# Altium PCB HV_Diffuser.PcbDoc (part 1 of 2) (continued)
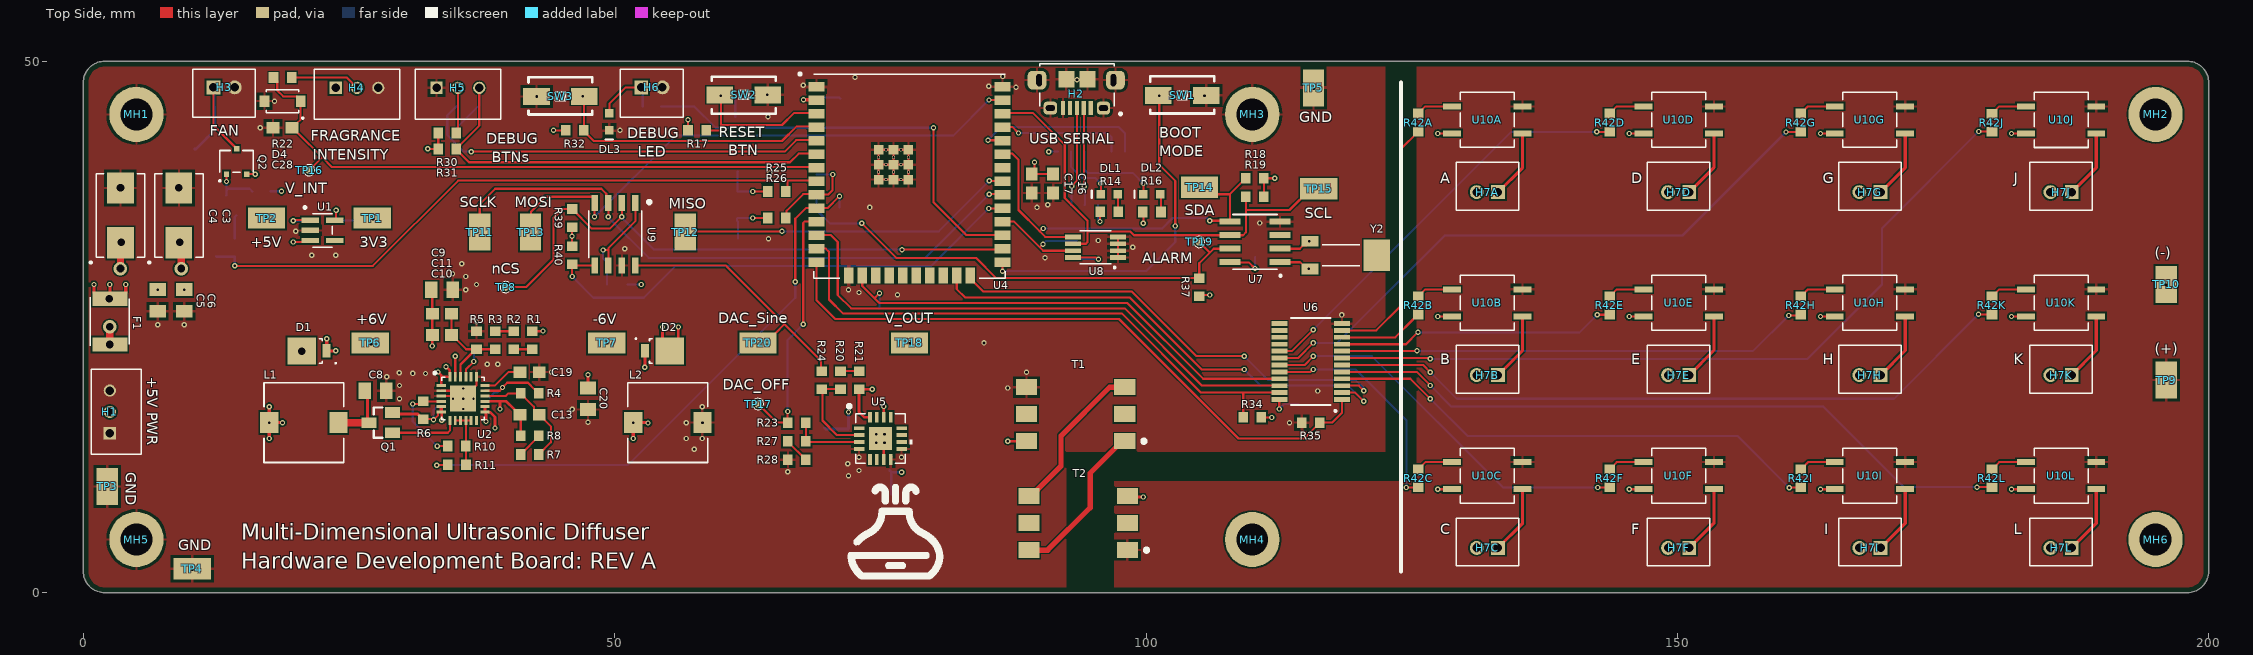
[diagram p0: Top Side view]
## Components (designator, comment, footprint, x,y, rotation, side; value= is the part's Value field where it differs from the comment) (continued)
R37 "4.7K" R_0603 105,28.75 r270 top
R38 "100K" R_0603 93.5,32.25 r270 bottom
R39 "100K" R_0603 46,35.25 r270 top
R40 "100K" R_0603 46,31.75 r90 top
R41 "NC" R_0603_NC 91.5,32.25 r90 bottom
R42A "1K" R_0603 125.621,44.235 r90 top (schematic designator R42)
R42B "1K" R_0603 125.621,27.022 r90 top (schematic designator R42)
R42C "1K" R_0603 125.621,10.76 r90 top (schematic designator R42)
R42D "1K" R_0603 143.621,44.235 r90 top (schematic designator R42)
R42E "1K" R_0603 143.621,27.022 r90 top (schematic designator R42)
R42F "1K" R_0603 143.621,10.76 r90 top (schematic designator R42)
R42G "1K" R_0603 161.621,44.235 r90 top (schematic designator R42)
R42H "1K" R_0603 161.621,27.022 r90 top (schematic designator R42)
R42I "1K" R_0603 161.621,10.76 r90 top (schematic designator R42)
R42J "1K" R_0603 179.607,44.233 r90 top (schematic designator R42)
R42K "1K" R_0603 179.607,27.022 r90 top (schematic designator R42)
R42L "1K" R_0603 179.607,10.76 r90 top (schematic designator R42)
SW1 "EVQPNF05M" "Tactile Switche - EVQPNF05M" 103.41,46.795 r0 top
SW2 "EVQPNF05M" "Tactile Switche - EVQPNF05M" 62.15,46.85 r180 top
SW3 "EVQPNF05M" "Tactile Switche - EVQPNF05M" 44.9,46.7 r0 top
T1 "1/5 Transformer" PMT9085NL 98,14.25 r90 top
T2 "1/5 Transformer" PMT9085NL 98.25,4 r90 top
TP1 "3V3" TP_1206 27.185,35.25 r0 top value=TP
TP2 "+5V" TP_1206 17.25,35.25 r180 top value=TP
TP3 "GND" TP_1206 2.25,10 r270 top value=TP
TP4 "GND" TP_1206 10.25,2.25 r0 top value=TP
TP5 "GND" TP_1206 115.75,47.5 r90 top value=TP
TP6 "+6V" TP_1206 27,23.5 r0 top value=TP
TP7 "-6V" TP_1206 49.25,23.5 r0 top value=TP
TP8 "nCS" TP-Small 39.75,28.75 r0 top
TP9 "P" TP_1206 196,20 r90 top value=TP
TP10 "N" TP_1206 196,29 r270 top value=TP
TP11 "SCLK" TP_1206 37.307,33.932 r270 top value=TP
TP12 "MISO" TP_1206 56.646,33.932 r90 top value=TP
TP13 "MOSI" TP_1206 42.092,33.932 r90 top value=TP
TP14 "SDA" TP_1206 105.036,38.15 r0 top value=TP
TP15 "SCL" TP_1206 116.25,38 r0 top value=TP
TP16 "V_INT" TP-Small 21.25,39.75 r90 top
TP17 "DAC_OFF" TP-Small 63.5,17.75 r90 top
TP18 "V_OUT" TP_1206 77.741,23.5 r0 top value=TP
TP19 "ALARM" TP-Small 105,33 r90 top
TP20 "DAC_Sine" TP_1206 63.483,23.5 r0 top value=TP
U1 "AP7347DQ-33W5-7" SOT25-A1_DIO-M 22.508,34.087 r0 top
U2 "TPS65130RGER" QFN50P400X400X100-25N 35.75,18.25 r0 top
U3 "MCP2221A" 14-SOIC 95.5,39 r270 bottom
U4 "ESP32-WROOM-32UE - N4" MODULE_ESP32-WROOM-32UE(M113EH6400UH3Q0) 77.741,39.2 r0 top
U5 "OPA2673IRGVR" RGV16_2P16X2P16 75,14.5 r0 top
U6 "74HC4514PW-118" SOP65P640X110-24N 115.5,21.75 r180 top
U7 "MCP7940M-I/SN" SOIC8-N_MC_MCH 110.25,33 r180 top
U8 "24LC32A-I/MS" SOP65P490X110-8N 95.25,32.5 r180 top
U9 "MCP4921-E/SN-ND" "8-SOIC - DAC" 50.25,34.25 r270 top
U10A "LH1546AEFTR" SO_6AEFTR_VIS-M 132.121,44.485 r0 top (schematic designator U10)
U10B "LH1546AEFTR" SO_6AEFTR_VIS-M 132.121,27.272 r0 top (schematic designator U10)
U10C "LH1546AEFTR" SO_6AEFTR_VIS-M 132.121,11.01 r0 top (schematic designator U10)
U10D "LH1546AEFTR" SO_6AEFTR_VIS-M 150.121,44.485 r0 top (schematic designator U10)
U10E "LH1546AEFTR" SO_6AEFTR_VIS-M 150.121,27.272 r0 top (schematic designator U10)
U10F "LH1546AEFTR" SO_6AEFTR_VIS-M 150.121,11.01 r0 top (schematic designator U10)
U10G "LH1546AEFTR" SO_6AEFTR_VIS-M 168.121,44.485 r0 top (schematic designator U10)
U10H "LH1546AEFTR" SO_6AEFTR_VIS-M 168.121,27.272 r0 top (schematic designator U10)
U10I "LH1546AEFTR" SO_6AEFTR_VIS-M 168.121,11.01 r0 top (schematic designator U10)
U10J "LH1546AEFTR" SO_6AEFTR_VIS-M 186.107,44.483 r0 top (schematic designator U10)
U10K "LH1546AEFTR" SO_6AEFTR_VIS-M 186.107,27.272 r0 top (schematic designator U10)
U10L "LH1546AEFTR" SO_6AEFTR_VIS-M 186.107,11.01 r0 top (schematic designator U10)
Y1 "32.7680kHZ" XTAL_MS1V-T1K-32.768KHZ-9PF-20PPM-TA-QC-AU 58,36.5 r270 bottom
Y2 "32.7680kHZ" XTAL_MS1V-T1K-32.768KHZ-9PF-20PPM-TA-QC-AU 119,31.75 r270 top

## Footprints (in the part's own frame and the unit in brackets; to place one, negate y for a bottom-side part, rotate by r counter-clockwise, add the part's x,y. Pads: shape width x height; smd on the part's side, far side on the other; paste and mask are expansions set on the pad)
"8-SOIC - DAC" [mm]
  rect 1.5x0.6 smd: 1(-2.411,1.705) 2(-2.411,0.435) 3(-2.411,-0.835) 4(-2.411,-2.105) 5(3.461,-2.105) 6(3.461,-0.835) 7(3.461,0.435) 8(3.461,1.705)
  silkscreen extent -2.55,-2.7 2.71,3.05, body extent -2.51,-2.65 3.48,2.25, height 1.76
14-SOIC [mil]
  rect 90x22 smd: 1(-99,150) 2(-99,100) 3(-99,50) 4(-99,0) 5(-99,-50) 6(-99,-100) 7(-99,-150) 8(99,-150) 9(99,-100) 10(99,-50) 11(99,0) 12(99,50) 13(99,100) 14(99,150)
  silkscreen extent -103,-177 84,208, body extent -122,-172 122,172, height 69
"7447789004 - 4.7uH" [mm]
  rect 1.7x2 smd: 1(0,0) 2(6.5,0)
  silkscreen extent -0.5,-3.75 7,3.75, body extent -0.4,-3.65 6.9,3.65, height 3.21
C_0603 [mm] "Chip Capacitor, Body 1.6x0.8mm, IPC Low Density"
  rect 1.2x1.1 smd: 1(-0.9,0) 2(0.9,0)
  body extent -0.8,-0.45 0.8,0.45, height 0.8
C_0805 [mil] "Chip Capacitor, Body 2.0x1.25mm, IPC Low Density"
  rect 47.24x60 smd: 1(-40,0) 2(40,0)
  body extent -39,-27 40,27, height 50
C_2917 [mm]
  rect 2.941x2.5 smd: 1(-2.583,0) 2(2.583,0)
  silkscreen extent -4.52,-2.28 3.93,2.87, body extent -3.8,-2.15 3.8,2.15, height 4.35
CR_PTVS3V_NEX-M [mil]
  rect 36x43 smd: 1(-67,0) 2(67,0)
  silkscreen extent -78,-42 60,66, body extent -73,-37 73,37, height 43
"DO-214AA, SMB" [mm]
  rect 2.5x2.3 smd: 1(0,0) 2(5,0)
  body extent -0.3,-1.97 5.3,1.97, height 2.45
DO-216AA [mil]
  rect 50x30 smd: 1(0,-65.03)
  rect 100x105 smd: 2(0,27.53)
  silkscreen extent -48,-100 46,-38, body extent -38,-74 37,74, height 46
JS_USB_MICRO_B [mm] "Micro USB B Type Receptacle"
  rect 0.4x1.35 smd mask+0.07: 1(-1.3,4.15) 2(-0.65,4.15) 3(0,4.15) 4(0.65,4.15) GND(1.3,4.15)
  rrect50% 1.75x1.75 hole 0.5 slot 1.15 at 90 deg copper offset -0.2,0 paste+0 mask+0.1: GND(-3.429,1.524)
  rrect50% 1.25x1.2 hole 0.55 slot 0.85 at 0 deg: GND(-2.5,4.15) GND(2.5,4.15)
  rect 1.5x1.55 smd: GND(-1,1.45) GND(1,1.45)
  rrect50% 1.75x1.75 hole 0.5 slot 1.15 at 90 deg copper offset 0.2,0 paste+0 mask+0.1: GND(3.556,1.524)
  silkscreen extent -4.2,0 3.5,4.8, body extent -4.02,-1.14 4.02,4.39, height 2.74
JST_B2B-PH-K-S [mm]
  rect 1.308x1.308 hole 0.8: 1(1,-0.55)
  round 1.308 hole 0.8: 2(-1,-0.55)
  silkscreen extent -2.95,-2.25 2.95,2.25, body extent -2.95,-2.25 2.95,2.25, height 6
MH_M2 [mm]
  oval 5.1x5.2 hole 3: 1(0,0)
  body extent -2.17,-2.16 2.17,2.16, height 1.51
MODULE_ESP32-WROOM-32UE(M113EH6400UH3Q0) [mm]
  rect 1.5x0.9 smd: 1(-8.75,8.41) 1(8.75,8.41) 2(-8.75,7.14) 3(-8.75,5.87) 4(-8.75,4.6) 5(-8.75,3.33) 6(-8.75,2.06) 7(-8.75,0.79) 8(-8.75,-0.48) 9(-8.75,-1.75) 10(-8.75,-3.02) 11(-8.75,-4.29) 12(-8.75,-5.56) 13(-8.75,-6.83) 14(-8.75,-8.1) 25(8.75,-8.1) 26(8.75,-6.83) 27(8.75,-5.56) 28(8.75,-4.29) 29(8.75,-3.02) 30(8.75,-1.75) 31(8.75,-0.48) 32(8.75,0.79) 33(8.75,2.06) 34(8.75,3.33) 35(8.75,4.6) 36(8.75,5.87) 37(8.75,7.14)
  rect 0.9x1.5 smd: 1(-5.71,-9.35) 16(-4.44,-9.35) 17(-3.17,-9.35) 18(-1.9,-9.35) 19(-0.63,-9.35) 20(0.64,-9.35) 21(1.91,-9.35) 22(3.18,-9.35) 23(4.45,-9.35) 24(5.72,-9.35)
  rect 0.9x0.9 smd: 1(-2.9,-0.33) 1(-2.9,1.07) 1(-2.9,2.47) 1(-1.5,-0.33) 1(-1.5,1.07) 1(-1.5,2.47) 1(-0.1,-0.33) 1(-0.1,1.07) 1(-0.1,2.47)
  round 0.3 hole 0.2 mask+0.102: 1(-2.9,0.37) 1(-2.9,1.77) 1(-2.2,-0.33) 1(-2.2,1.07) 1(-2.2,2.47) 1(-1.5,0.37) 1(-1.5,1.77) 1(-0.8,-0.33) 1(-0.8,1.07) 1(-0.8,2.47) 1(-0.1,0.37) 1(-0.1,1.77)
  silkscreen extent -10.4,-9.6 9,9.7, body extent -9,-9.6 9,9.6, height 3.35
PMT9085NL [mm] "1/5 Transformer"
  rect 1.5x2 smd: 1(0,0) 2(2.54,0) 3(5.08,0) 4(5.08,9.25) 5(2.54,9.25) 6(0,9.25)
  silkscreen extent -0.14,-1.94 0.14,-1.66, body extent -1.41,-0.2 6.49,9.45, height 5.71
PTC_Fuse_1812 [mm] "1812 - 4.60mm x 3.24mm"
  rect 1.34x3.29 smd: 1(-2.15,0) 2(2.15,0)
  silkscreen extent -2.28,-1.83 2.28,1.83, body extent -2.37,-1.62 2.17,1.62, height 1.25
QFN50P400X400X100-25N [mm]
  rect 0.86x0.27 smd: 1(-2.062,1.25) 4(-2.062,-0.25) 5(-2.062,-0.75) 6(-2.062,-1.25) 13(2.062,-1.25) 14(2.062,-0.75) 15(2.062,-0.25) 16(2.062,0.25) 17(2.062,0.75) 18(2.062,1.25) 25(-2.062,0.25) 25(-2.062,0.75)
  rect 0.27x0.86 smd: 7(-1.25,-2.062) 8(-0.75,-2.062) 9(-0.25,-2.062) 10(0.25,-2.062) 11(0.75,-2.062) 12(1.25,-2.062) 20(0.75,2.062) 21(0.25,2.062) 22(-0.25,2.062) 23(-0.75,2.062) 24(-1.25,2.062) 25(1.25,2.062)
  round 0.4 hole 0.2 mask+0.102: 25(-0.975,0) 25(0,-0.975) 25(0,0) 25(0,0.975) 25(0.975,0)
  rect 2.45x2.45 smd paste-2: 25(0,0)
  silkscreen extent -2.77,-2 2,2.51, body extent -2,-2 2,2, height 1
R_0603 [mm] "1.6x0.8mm"
  rect 0.9x1 smd: 1(-0.85,0) 2(0.85,0)
  body extent -0.85,-0.46 0.85,0.46, height 0.56
R_0603_NC [mm] "1.6x0.8mm"
  rect 0.9x1 smd: 1(-0.85,0) 2(0.85,0)
R_0805 [mm] "2.0x1.25mm"
  rect 0.96x1.38 smd: 1(-0.978,0) 2(0.978,0)
  silkscreen extent -0.18,-0.68 0.18,0.68, body extent -1.05,-0.67 1.05,0.67, height 0.61
RGV16_2P16X2P16 [mm]
  rect 1x0.35 smd paste-0.175 mask-0.495: 1(-2,0.975) 2(-2,0.325) 3(-2,-0.325) 10(2,-0.325) 11(2,0.325) 12(2,0.975) A1(2,-0.975) GND(-2,-0.975)
  rect 0.35x1 smd paste-0.175 mask-0.495: 5(-0.975,-1.975) 6(-0.325,-1.975) 7(0.325,-1.975) 13(0.976,1.991) 14(0.326,1.991) 15(-0.324,1.991) 16(-0.974,1.991) A0(0.975,-1.975)
  round 0.508 hole 0.254 paste-0.254 mask-0.254: 7(-0.394,-0.394) 7(-0.394,0.394) 7(0.394,0.394)
  rect 2.16x2.16 smd paste-1.067 mask-1.067: 7(0,0)
  round 0.508 hole 0.254 mask-0.254: 7(0.394,-0.394)
  silkscreen extent -3.05,-2.33 3.01,3.17, body extent -2,-2 2,2, height 1
SO_6AEFTR_VIS-M [mil]
  rect 66x22 smd: 1(-130.5,50) 2(-130.5,-50) 3(130.5,-50) 4(130.5,50)
  silkscreen extent -100,-102 100,102, body extent -141,-97 141,97, height 91
SOIC8-N_MC_MCH [mil]
  rect 78x22 smd: 1(-93,75) 2(-93,25) 3(-93,-25) 4(-93,-75) 5(93,-75) 6(93,-25) 7(93,25) 8(93,75)
  silkscreen extent -98,-102 82,128, body extent -118,-96 118,96, height 69
SOP65P490X110-8N [mm]
  rect 1.5x0.45 smd mask+0.05: 1(-2.105,0.975) 2(-2.105,0.325) 3(-2.105,-0.325) 4(-2.105,-0.975) 5(2.105,-0.975) 6(2.105,-0.325) 7(2.105,0.325) 8(2.105,0.975)
  silkscreen extent -1.88,-1.53 1.5,1.98, body extent -2.45,-1.5 2.45,1.5, height 1.07
SOP65P640X110-24N [mm]
  rect 1.475x0.45 smd: 1(-2.938,3.575) 2(-2.938,2.925) 3(-2.938,2.275) 4(-2.938,1.625) 5(-2.938,0.975) 6(-2.938,0.325) 7(-2.938,-0.325) 8(-2.938,-0.975) 9(-2.938,-1.625) 10(-2.938,-2.275) 11(-2.938,-2.925) 12(-2.938,-3.575) 13(2.938,-3.575) 14(2.938,-2.925) 15(2.938,-2.275) 16(2.938,-1.625) 17(2.938,-0.975) 18(2.938,-0.325) 19(2.938,0.325) 20(2.938,0.975) 21(2.938,1.625) 22(2.938,2.275) 23(2.938,2.925) 24(2.938,3.575)
  silkscreen extent -2.39,-4.1 1.86,4.71, body extent -3.21,-3.9 3.21,3.9, height 0.98
SOT23 [mm]
  rect 1x1.4 smd: 1(-0.95,-1.1) 2(0.95,-1.1) 3(0,1.1)
  silkscreen extent -1.42,-0.15 1.42,0.66, body extent -1.46,-1.18 1.46,1.18, height 1.03
SOT23_NXP-M [mil]
  rect 24x64 smd: 1(-35,-40) 2(40,-40) 3(2.5,34.57)
  silkscreen extent -79,-54 66,32, body extent -57,-49 62,49, height 43
SOT25-A1_DIO-M [mil]
  rect 64x20 smd: 1(-45,37.4) 2(-45,0) 3(-45,-37.4) 4(45,-37.4) 5(45,37.4)
  silkscreen extent -68,-62 36,88, body extent -55,-57 55,57, height 57
SOT-23F [mil]
  rect 20x20 smd: 1(-40.35,-53.73) 2(34.45,-53.73) 3(-2.95,40.27)
  silkscreen extent -68,-81 59,34, body extent -60,-55 54,39, height 35
"Tactile Switche - EVQPNF05M" [mm] "Panansonic light touch SMD push button switch"
  rect 2.5x1.6 smd: 1(-2.25,0) 2(2.25,0)
  silkscreen extent -3,-1.7 3,1.8, body extent -3.4,-1.75 3.4,1.75, height 5.01
TE_440054-3 [mm]
  rect 1.15x1.15 hole 0.8: 1(0,0)
  round 1.15 hole 0.8: 2(2.007,0) 3(4.013,0)
  silkscreen extent -2,-2.95 6.01,1.75, body extent -1.99,-2.95 6.01,1.75, height 6.06
TP-Small [mm]
  round 0.7 smd: 1(0,0)
  silkscreen extent -0.53,-0.53 0.53,0.53
TP_1206 [mm] "Test Point Pad"
  rect 3.5x2 smd: 1(0,0)
  body extent -1.62,-0.85 1.63,0.8, height 2
WL-SMCW0603 [mm] "2.4 x 0.8 x 0.7mm LED"
  rect 0.8x0.8 smd: 1(0,0) 2(1.6,0)
  silkscreen extent -0.85,-0.35 -0.85,0.35, body extent 0,-0.4 1.6,0.4, height 0.65
XTAL_MS1V-T1K-32.768KHZ-9PF-20PPM-TA-QC-AU [mm]
  rect 1x1.6 smd: 1(-1.3,-3.55) 2(1.3,-3.55)
  rect 3x2.5 smd: S1(0,2.7)
  silkscreen extent -1,-2.43 1,1.13, body extent -1.38,-4.05 1.38,4.05, height 2.08

## Part data
C1 C7 C15 C16 C18 C23 C24 C26 C28 C30 C32 C34 C35 C36 C37 C39 C41 C42: library part CC_100nF, "CAP CER 0.1uF 50V X7R 0603", PackageReference=0603
  C1 C7 C16 C23 C24 C26 C28 C34 C35 C36 C37 C39 C41 C42: Cost=0.16, Website=https://www.digikey.co.nz/product-detail/en/samsung-electro-mechanics/CL10B104KB8NFNC/1276-1934-1-ND/3890020
  C15 C30 C32: Website=https://www.digikey.co.nz/product-detail/en/samsung-electro-mechanics/CL10B104KB8NFNC/1276-1934-1-ND/3890020
  C18: Website=https://www.digikey.co.nz/en/products/detail/samsung-electro-mechanics/CL10B103KB8NNNC/3886667
C2 C5 C6 C9 C20 C22: library part CC_22uF, "CAP CER 22UF 10V X5R 0805", PackageReference=0805, Website=https://www.digikey.co.nz/en/products/detail/samsung-electro-mechanics/CL21A226MOQNNNE/3888567
C3 C4: library part CC_100uF, "100 µF Molded Tantalum Capacitors 16 V 2917 (7343 Metric) 75mOhm", Voltage=10V, Component="T498X107K016ATE075 or T494D227M010AT"
C8 C14 C29 C31: library part CC_4.7uF_50V, "4.7 µF ±10% 50V Ceramic Capacitor X7R 0805 (2012 Metric)", Voltage=16V, Component=CGA4J3X7R1C475K125AE
C10 C12 C13 C17 C27 C33 C38 C40: library part CC_220nF, "CAP CER 0.220uF 50V X7R 0603", PackageReference=0603
  C10 C13 C27 C33 C38 C40: Website=https://www.digikey.co.nz/en/products/detail/kemet/C0603C120C5GAC7867/2199823
  C12 C17: Cost=0.16, Website=https://www.digikey.co.nz/en/products/detail/samsung-electro-mechanics/CL10B224KB8VPNC/5961084
C11: library part CC_220nF, "CAP CER 1pF 50V X7R 0603", PackageReference=0603, Website=https://www.digikey.co.nz/en/products/detail/yageo/AC0603BRNPO9BN1R0/6643061
C19: library part CC_4.7nF, "CAP CER 4.7nF 50V X7R 0603", PackageReference=0603, Website=https://www.digikey.co.nz/product-detail/en/samsung-electro-mechanics/CL10B472KB8NFNC/1276-2064-1-ND/3890150
C21: library part CC_100pF, "CAP CER 100pF 50V C0G/NP0 0603", Voltage=50V, PackageReference=0603, Website=https://www.digikey.co.nz/en/products/detail/samsung-electro-mechanics/CL10C101JB81PNC/3887820
C25: library part CC_1uF, "CAP CER 1uF 16V X7R 0603", Cost=0.16, PackageReference=0603, Website=https://www.digikey.co.nz/product-detail/en/samsung-electro-mechanics/CL10B105KO8NFNC/1276-1943-1-ND/3890029
D1 D2: "Diode 20 V 1A Surface Mount Powermite", Mfr_Name=onsemi, Copyright="Copyright (C) 2024 Ultra Librarian. All rights reserved.", Manufacturer_Part_Number=MBRM120LT3G, RefDes=RefDes, Type=DEV
D3: "Diode 400 V 1A Surface Mount SMB"
D4: "8V Clamp 43.8A Ipp Tvs Diode Surface Mount SOD-123W", Mfr_Name=Nexperia, Copyright="Copyright (C) 2023 Ultra Librarian. All rights reserved.", Digi-Key_Part_Number_1=1727-1416-2-ND, Digi-Key_Part_Number_2=1727-1416-1-ND, Digi-Key_Part_Number_3=1727-1416-6-ND, Manufacturer_Part_Number=PTVS3V3S1UTR,115, RefDes=RefDes, Type=DEV
DL1: library part "Leds - 150060RS75000", "LED Red 250mcd 0603 SMD", Cost=0.25, Website=https://www.digikey.co.nz/product-detail/en/w%C3%BCrth-elektronik/150060RS75000/732-4978-1-ND/4489899
DL2: library part "Leds - 150060YS75000", "LED Yellow 120mcd 0603 SMD", Cost=0.25, Website=https://www.digikey.co.nz/product-detail/en/w%C3%BCrth-elektronik/150060YS75000/732-4981-1-ND/4489907
DL3: library part "Leds - 150060BS75000", "LED Blue 270mcd 0603 SMD", Cost=0.25, LED Colour=Blue, Website=https://www.digikey.co.nz/product-detail/en/w%C3%BCrth-elektronik/150060BS75000/732-4966-1-ND/4489893
F1: library part FS_PTC_Fuse_3A, "PTC RESET FUSE 3.0A 24V 1812", Cost=3.44, Website=https://www.digikey.co.nz/product-detail/en/littelfuse-inc/1812L300-24SLER/18-1812L300-24SLERCT-ND/12807142
H1 H4 H5: library part 440054-3, "2.0MM,HDR,3POS,VERTICAL", Package=None, Availability=Unavailable, Centerline_Pitch="2 mm[.079 in]", EU_RoHS_Compliance=Compliant, MF="TE Connectivity", MP=440054-3, Number_of_Positions=3, Price=None, Product_Type=Connector, SnapEDA_Link=https://www.snapeda.com/parts/440054-3/TE%20Connectivity%20AMP%20Connectors/view-part/942515/?ref=snap, TE_purchase_URL=https://www.te.com/usa-en/product-440054-3.html?te_bu=Cor&te_type=disp&te_campaign=seda_glo_cor-seda-global-disp-prtnr-fy19-seda-model-bom-cta_sma-317_1&elqCampaignId=32493
H2: library part JS_USB_MICRO_B_SMT, "CONN USB MICRO B RECPT SMT R/A", Manufacturer=FCI, Manufacturer Part Number=10118194-0001LF, Supplier Part Number 1=609-4618-1-ND, Cost=0.69, Features="Shielded, Solder Retention", Gender=Receptacle, Mounting Type="Surface Mount, Right Angle, Horizontal", Number of Contacts=5, Specifications="USB 2.0", Supplier 1=Digi-Key, Website=https://www.digikey.co.nz/product-detail/en/10118194-0001LF/609-4618-1-ND/2785382?utm_campaign=buynow&utm_medium=aggregator&curr=nzd&utm_source=octopart
H3 H6: "CONN HDR 2POS 0.1 TIN PCB"
H7A H7B H7C H7D H7E H7F H7G H7H H7I H7J H7K H7L: library part "2 Pin Male 2mm", "CONN HDR 2POS 0.1 TIN PCB", Website - output=https://www.aliexpress.com/item/1005006477559838.html
L1 L2: "4.7 µH Shielded Drum Core, Wirewound Inductor 2.9 A 35mOhm Max Nonstandard"
L3: library part "10uH - LQM21DH100M70L", "Inductor with Inductance: 10uH Tol. +/-20%, Package: 0805 (2012)", Cost=0.43, Website=https://www.digikey.co.nz/products/en?keywords=490-18463-1-ND
MH1 MH2 MH3 MH4 MH5 MH6: "Mounting Holes"
Q1: "P-Channel 20V 3.7A _Ta_ 750mW _Ta_ Surface Mount SOT-23-3 _TO-236_", Package="SOT-23-3 Vishay", Availability=Unavailable, MF="Vishay Siliconix", MP=SI2323DS-T1-E3, Price=None, SnapEDA_Link=https://www.snapeda.com/parts/SI2323DS-T1-E3/Vishay%20Siliconix/view-part/1098076/?ref=snap
Q2: library part "P Mos - SSM3J328R", "MOSFET P-CH 20V 6A SOT23F", Cost=0.68, Website=https://www.digikey.co.nz/product-detail/en/toshiba-semiconductor-and-storage/SSM3J328R-LF/SSM3J328RLFCT-ND/2753207
Q3: library part "NPN - MMBT3904", "TRANS NPN 40V 200MA TO236AB", Manufacturer=NXP, Cost=0.17, Website=https://www.digikey.co.nz/product-detail/en/nexperia-usa-inc/MMBT3904-215/1727-4044-1-ND/1944320
R1: library part RS_100K, "RES 512K OHM 0.1% 1/10W 0603", Website=https://www.digikey.co.nz/en/products/detail/te-connectivity-passive-product/RP73D1J511KBTDF/14007424
R2 R3 R8: library part RS_1K, "RES 1K OHM 0.1% 1/10W 0603", Website=https://www.digikey.co.nz/en/products/detail/koa-speer-electronics-inc/RN73H1JTTD1001B50/10686361
R4 R5: library part RS_1K, "RES 130K OHM 0.1% 1/10W 0603", Website=https://www.digikey.co.nz/en/products/detail/susumu/RG1608P-134-B-T5/1240479
R6: library part RS_0R, "100 Ohms ±0.1% 0.167W, 1/6W Chip Resistor 0603 (1608 Metric) Thin Film", Website=https://www.digikey.co.nz/en/products/detail/te-connectivity-passive-product/RP73PF1J100RBTDF/4033480
R7 R9 R12 R13 R15 R34 R35 R36 R38 R39 R40: library part RS_100K, "RES 100K OHM 1% 1/10W 0603"
  R7: Website=https://www.digikey.co.nz/en/products/detail/koa-speer-electronics-inc/RN73H1JTTD6423B50/10678200
  R9 R12 R13 R15 R34 R35 R36 R38 R39 R40: Cost=0.16, Website=https://www.digikey.co.nz/product-detail/en/yageo/RC0603FR-07100KL/311-100KHRCT-ND/729836
R10 R25 R26 R41: library part RS_NC, "NC - 0603"
R11 R29: library part RS_0R, "RES SMD 0 OHM JUMPER 1/10W 0603", Cost=0.16, Website=https://www.digikey.co.nz/product-detail/en/yageo/RC0603FR-070RL/311-0-0HRCT-ND/4340584
R14 R16 R18 R19 R33 R37: library part RS_4.7K, "RES SMD 4.7K OHM 1% 1/10W 0603"
R17 R22 R30 R31 R32: library part RS_10K, "RES SMD 10K OHM 1% 1/10W 0603", Cost=0.16, Website=https://www.digikey.co.nz/product-detail/en/yageo/RC0603FR-0710KL/311-10-0KHRCT-ND/729827
R20 R21 R23 R24 R27 R28 R42A R42B R42C R42D R42E R42F R42G R42H R42I R42J R42K R42L: library part RS_1K, "RES 1K OHM 1% 1/10W 0603", Supplier Part Number 1=311-1.00KHRCT-ND, Cost=0.16, Supplier 1=Digi-Key, Website=https://www.digikey.co.nz/product-detail/en/yageo/RC0603FR-071KL/311-1-00KHRCT-ND/729790
SW1 SW2 SW3: library part "Tactile Switch - WS_EVQPNF05M", "Panasonic 6 x 3.5mm SMD Light Touch Switch Type SMD", Manufacturer=Panasonic, Supplier Part Number 1=2079481, Cost=0.87, Manufacturer PN=EVQPNF05M, PackageDescription="6.0 x 3.5 mm", Storage Location="PCB Assembly WS", Supplier="ECE Dept", Supplier 1=Farnell, Supplier 2=Digi-Key, Supplier Part Number 2=P13598SCT-ND, Website=https://www.digikey.co.nz/product-detail/en/panasonic-electronic-components/EVQ-PNF05M/P13598SCT-ND/1245519
T1 T2: library part PMT9085NL, "160µH Gate Drive Pulse Transformer 1CT:5CT Surface Mount"
TP1 TP2 TP3 TP4 TP5 TP6 TP7 TP9 TP10 TP11 TP12 TP13 TP14 TP15 TP18 TP20: library part TP_1206, "TP, 325mm x 1.65mm)", Manufacturer="Harwin Inc", Manufacturer Part Number=S1751-46R, Supplier Part Number 1=952-1478-2-ND, Cost=0.44, Mounting Type="Surface Mount", Storage Location=ProtoPlace, Supplier="ECE Dept", Supplier 1=Digi-Key, Supplier 2=Farnell, Supplier Part Number 2=1826282, Type="PC Test Point", Use="(SPI, I2C, PWM)", Website=https://www.digikey.co.nz/product-detail/en/harwin-inc/S1751-46R/952-1478-1-ND/2264564
TP8 TP16 TP17 TP19: library part TP-Small, "Use for basic signals"
U1: "Linear Voltage Regulator IC Positive Fixed 1 Output 500mA SOT-25", Mfr_Name="Diodes Inc", Copyright="Copyright (C) 2024 Ultra Librarian. All rights reserved.", Manufacturer_Part_Number=AP7347DQ-33W5-7, RefDes=RefDes, Type=DEV
U2: "Boost, Buck-Boost Switching Regulator IC Positive and Negative (Dual Rail) Adjustable 3.2V, -2V 2 Output 700mA (Switch) 24-VFQFN Exposed Pad", Package=None, Availability=Unavailable, MP=TPS65130RGER, Price=None
U3: library part "USB Serial - MCP2221A-I/ST", "USB Bridge, USB to I2C/UART USB 2.0 I2C, UART Interface 14-SOIC", Backup - QFN=https://www.digikey.co.nz/product-detail/en/microchip-technology/MCP2221A-I-ML/MCP2221A-I-ML-ND/6009295, Cost=3.64, Website=https://www.digikey.co.nz/product-detail/en/microchip-technology/MCP2221A-I-SL/MCP2221A-I-SL-ND/6009297
U4: library part ESP32-WROOM-32UE(M113EH6400UH3Q0), "Bluetooth, WiFi 802.11b/g/n, Bluetooth v4.2 +EDR, Class 1, 2 and 3 Transceiver Module 2.4GHz ~ 2.5GHz Antenna Not Included, U.FL Surface Mount", Package=None, Availability="Not in stock", Check_prices=https://www.snapeda.com/parts/ESP32-WROOM-32UE(M113EH6400UH3Q0)/Espressif+Systems/view-part/?ref=eda, MF="Espressif Systems", MP=ESP32-WROOM-32UE(M113EH6400UH3Q0), Price=None, SnapEDA_Link=https://www.snapeda.com/parts/ESP32-WROOM-32UE(M113EH6400UH3Q0)/Espressif+Systems/view-part/?ref=snap
U5: "Current Feedback Amplifier 2 Circuit 16-VQFN (4x4)", Mfr_Name="Texas Instruments", Copyright="Copyright (C) 2024 Ultra Librarian. All rights reserved.", Manufacturer_Part_Number=OPA2673IRGVR, RefDes=RefDes, Type=DEV
U6: "74HC(T)4514 - 4-to-16 line decoder/demultiplexer with input latches@en-us", Manufacturer_Name=Nexperia, Manufacturer_Part_Number=74HC4514PW,118, Mouser Part Number=771-HC4514PW118, Datasheet Link=https://assets.nexperia.com/documents/data-sheet/74HC_HCT4514.pdf, Geometry.Height=1.1mm, Mouser Price/Stock=https://www.mouser.co.uk/ProductDetail/Nexperia/74HC4514PW118?qs=P62ublwmbi%2F4NHTNGiPEGA%3D%3D
U7: library part MCP7940M-ISN, "Real Time Clock (RTC) IC Clock/Calendar 64B I2C, 2-Wire Serial 8-SOIC (0.154\", 3.90mm Width)", Mfr_Name=Microchip, Copyright="Copyright (C) 2024 Ultra Librarian. All rights reserved.", Manufacturer_Part_Number=MCP7940M-I/SN, RefDes=RefDes, Type=DEV
U8: "EEPROM Memory IC 32Kb _4K x 8_ IÂ²C 400kHz 900ns 8-MSOP", Package="MSOP-8 Microchip", Availability=Unavailable, MF=Microchip, MP=24LC32A-I/MS, Price=None, SnapEDA_Link=https://www.snapeda.com/parts/24LC32A-I/MS/Microchip/view-part/138508/?ref=snap
U9: library part MCP4921, "12 Bit Digital to Analog Converter 1 8-SOIC", Manufacturer_Part_Number=MCP4822T-E/SN, Mfr_Name=Microchip, Copyright="Copyright (C) 2024 Ultra Librarian. All rights reserved.", RefDes=RefDes, Type=DEV
U10A U10B U10C U10D U10E U10F U10G U10H U10I U10J U10K U10L: "Solid State SPST-NO (1 Form A) 4-SOP (0.173\", 4.40mm)", Mfr_Name=Vishay, Copyright="Copyright (C) 2024 Ultra Librarian. All rights reserved.", Manufacturer_Part_Number=LH1546AEFTR, RefDes=RefDes, Type=DEV
Y1 Y2: "32.768 kHz ±20ppm Crystal 9pF 60 kOhms Cylindrical Can, Radial", Package="SMD-3 Micro Crystal", Check_prices=https://www.snapeda.com/parts/MS1V-T1K-32.768KHZ-9PF-20PPM-TA-QC-AU/Micro+Crystal/view-part/?ref=eda, MF="Micro Crystal AG", MP=MS1V-T1K-32.768KHZ-9PF-20PPM-TA-QC-AU, Purchase-URL=https://pricing.snapeda.com/search/part/MS1V-T1K-32.768KHZ-9PF-20PPM-TA-QC-AU/?ref=eda, SnapEDA_Link=https://www.snapeda.com/parts/MS1V-T1K-32.768KHZ-9PF-20PPM-TA-QC-AU/Micro+Crystal/view-part/?ref=snap

## Via types
v1: diameter 0.5, hole 0.254, Top Side to Bottom Side, tented both sides, 212 vias
v2: diameter 1.27, hole 0.711, Top Side to Bottom Side, tented both sides, 10 vias

## Nets (pads, with @x,y where several pads share a name; then routed paths per layer and width w, separated by ;. In a path a pad name is that pad's centre, name@x,y a point inside that pad or via, vN(x,y) a via of type N, cw(c..) or ccw(c..) an arc to the next point about the centre after c; other vN are vias at no path point)
3V3: C1.2 C2.2 C16.2 C17.1 C22.2 C23.2 C37.2 C39.2 C41.2 H4.1 L3.1 R14.1 R16.1 R17.1 R18.2 R19.2 R30.2 R31.2 R32.2 R34.2 R37.2 R38.2 R39.2 R40.2 TP1.1 U1.5 U3.1 U3.11 U4.2 U6.24 U7.8 U8.8 | length 41.7
  Top Side w0.2: U1.5@23.651,35.037 23.789,35.175 v1(23.789,35.987) ; v1(32.407,41.763) 33.387,41.763 R31.2@33.4,41.75 R30.2@33.4,43.25 ; v1(44.25,43.5) R32.2@45.4,43.5 ; v1(45.981,33.538) 45.987,33.533 45.987,32.613 R40.2@46,32.6 ; v1@45.981,33.7 45.981,34.381 R39.2@46,34.4 ; R17.1@56.9,43.5 56.9,44.488 v1(56.902,44.49) ; v1(89.5,40.5) 89.5,39.65 C17.1@89.25,39.4 C16.2@91.25,39.4 ; U8.8@93.147,31.523 95.3,31.523 95.456,31.367 v1(95.537,31.367) ; v1(95.677,34.923) 95.677,35.801 R14.1@95.709,35.833 ; R16.1@99.713,35.812 99.75,35.775 v1(99.75,34.75) ; R37.2@105,27.9 105.1,28 v1(106,28) ; U7.8@107.888,31.095 107.901,31.082 109.668,31.082 v1(110.25,30.5) ; R34.2@110.85,16.5 110.865,16.485 v1(111.846,16.485) ; R19.2@111.1,37.25 R18.2@111.1,39 111.105,38.995 v1(112.102,38.995) ; v1(112.539,17.289) 112.539,18.152 U6.24@112.562,18.175
  Top Side w0.3: v1(67.774,46.384) 68.947,46.384 U4.2@68.991,46.34
  Bottom Side w0.2: C1.2@23.75,34.9 C1.2@23.789,34.939 ; v1(23.789,35.987) C1.2@23.789,34.939 ; v1(27.257,35.13) 26.114,35.13 C2.2@26,35.016 23.866,35.016 C1.2@23.789,34.939 ; L3.1@51.228,29 v1(52.5,29) ; v1(67.774,46.384) 68.784,46.384 C23.2@69,46.6 71.134,46.6 C22.2@71.25,46.484 ; v1(90.851,41.496) 91.672,41.496 U3.1@91.69,41.515 ; R38.2@93.5,31.4 C41.2@95.504,31.4 ; C41.2@95.5,31.367 v1(95.537,31.367) ; U3.11@95.5,36.485 95.5,35.179 95.677,35.002 v1(95.677,34.923) ; v1(110.25,30.5) C39.2@110.25,31.6 ; v1(112.539,17.289) 113,17.75 C37.2@114.35,17.75
5V: C3.1 C4.1 C5.2 C6.2 C7.2 C14.2 F1.2 Q1.2 Q2.2 R6.2 R9.1 TP2.1 U1.1 U1.3 U2.5 U2.6 | length 26.3
  Top Side w0.2: F1.2@1,28.22 1.57,27.65 2.45,27.65 F1.2@2.5,27.7 ; v2(2.444,27.643) 3.423,27.643 F1.2@4,28.22 ; Q2.2@15.375,39.385 16.166,39.385 v1(16.191,39.36) ; v1(19.75,33) 21.228,33 U1.3@21.365,33.137 ; v1(19.75,35) 19.807,35.057 21.345,35.057 U1.1@21.365,35.037 ; R6.2@32,16.323 32.812,16.323 32.875,16.26 v1(32.957,16.26) 33.388,16.691 33.388,16.965 33.423,17 33.653,17 U2.6@33.688,17.035 ; U2.6@33.688,17 33.732,16.956 v1(33.732,16.233)
  Top Side w0.3: F1.2@1,28.22 v1(1,29) ; F1.2@2.5,27.7 v1(2.5,29) ; F1.2@4,28.22 v1(4,29) ; Q1.2@29.1,16.95 29.25,16.8 31.474,16.8 R6.2@31.65,16.624 ; R6.2@31.65,16.623 31.95,16.323 R6.2@32,16.323 ; U2.6@33.688,17.035 U2.5@33.688,17.43
  Top Side w0.7: v2(3.5,30.5) C4.1@3.5,32.917 ; C3.1@9,32.923 v2(9.063,32.986) 9.2,32.848 v2(9.2,30.5)
  Bottom Side w0.2: R9.1@17.6,37.75 17.62,37.77 v1(18.647,37.77) ; v1(19.75,35) 21.4,35 C7.2@21.5,34.9 ; v1(32.957,16.26) 32.957,17.191 C14.2@33.25,17.484
  other v1: 7,28.5 9.5,28.5 17.25,35.25
  other v2: 3.563,32.986
+6V: C9.2 C10.2 C11.2 C29.2 C30.2 D1.1 R1.1 TP6.1 U2.23 U5.14 | length 15.2
  Top Side w0.25: C9.2@32.734,28.5 32.85,28.384 C11.2@32.85,26.25 C10.2@32.85,24.25 32.85,23.209 v1(32.848,23.207) ; U2.23@35,20.312 v1(35,22.25) ; R1.1@42.25,24.6 43.233,24.6 v1(43.255,24.622) ; v1(75.323,17.509) 75.323,16.494 U5.14@75.326,16.491
  Top Side w0.3: v1(22.916,23.882) 22.916,22.764 D1.1@22.902,22.75 v1(23.75,22.75)
  Bottom Side w0.25: C29.2@69.75,15.516 69.866,15.4 C30.2@72,15.4 v1(72,17)
  other v1: 27.067,23.377
-6V: C13.1 C20.2 C31.2 C32.2 D2.2 R8.1 TP7.1 U2.15 U5.7 | length 17.8
  Top Side w0.25: U2.15@37.812,18 39.217,18 ; v1(39.217,17.279) 39.217,18 ; R8.1@41.15,14.75 41.15,16.65 40.043,17.757 39.8,18 39.217,18 ; C20.2@47.5,19.266 v1(47.5,20.5) ; v1(54.5,25) 54.5,23.449 D2.2@55.199,22.75 56,23.551 v1(56,25) ; U5.7@75.325,12.525 U5.7@75.325,14.175
  Bottom Side w0.25: C32.2@75.9,11.5 C32.2@76.016,11.384 ; C31.2@76.016,9.25 C32.2@76.016,11.384 ; v1(77.002,11.32) 76.08,11.32 C32.2@76.016,11.384
  other v1: 49.25,23.5
A0: U4.23 U6.2 | length 46.4
  Top Side w0.2: U4.23@82.191,29.85 82.191,28.559 82.978,27.772 98.478,27.772 105.25,21 v1(109.25,21) ; U6.2@118.438,18.825 119.675,18.825 v1(120.5,18)
  Bottom Side w0.2: v1(109.25,21) 110.75,19.5 119,19.5 v1(120.5,18)
A1: U4.24 U6.3 | length 44.1
  Top Side w0.2: U4.24@83.461,29.85 83.461,29.55 83.811,29.2 84.675,28.336 98.667,28.336 104.753,22.25 v1(109.25,22.25) ; U6.3@118.438,19.475 120.025,19.475 v1(120.5,19)
  Bottom Side w0.2: v1(109.25,22.25) 111.5,20 119.75,20 120.443,19.307 120.443,19.057 v1(120.5,19)
A2: R36.2 U4.16 U6.21 | length 46
  Top Side w0.2: U4.16@73.301,29.85 73.301,28.85 74.45,27.7 ; v1(74.927,28.158) 74.908,28.158 74.45,27.7 ; U6.21@112.562,20.125 105.375,20.125 98.25,27.25 74.901,27.25 74.45,27.7
  Bottom Side w0.2: R36.2@74.9,26.8 R36.2@74.9,26.75 74.927,26.777 v1(74.927,28.158)
A3: U4.12 U6.22 | length 52.4
  Top Side w0.2: U4.12@68.991,33.64 70.36,33.64 71,33 71,28 72.25,26.75 98,26.75 105.275,19.475 U6.22@112.562,19.475
B1: C34.2 H5.2 R30.1 U4.5 | length 45.1
  Top Side w0.2: R30.1@35.1,43.25 35.257,43.407 H5.2@35.257,47.5 ; v1(36.5,41.5) 66,41.5 67.08,42.58 68.5,42.58 68.941,42.58 U4.5@68.991,42.53
  Bottom Side w0.2: H5.2@35.257,47.5 35.257,45.857 C34.2@35.15,45.75 35.1,45.75 34.25,44.9 34.25,43.059 35.809,41.5 v1(36.5,41.5)
B2: C35.2 H5.3 R31.1 U4.6 | length 46.1
  Top Side w0.2: H5.3@37.263,47.5 37.263,43.945 35.468,42.15 35.45,42.15 35.1,41.8 R31.1@35.1,41.75 35.45,41.4 35.45,41.339 36.289,40.5 66.5,40.5 67.31,41.31 68.5,41.31 68.941,41.31 U4.6@68.991,41.26
  Bottom Side w0.2: C35.2@35.15,43.75 37.263,45.863 H5.3@37.263,47.5
D_N: H2.2 U3.12 | length 9.2
  Top Side w0.2: H2.2@94.15,45.6 94.15,38.282 v1(94.179,38.253)
  Bottom Side w0.2: v1(94.179,38.253) 94.179,38.172 94.25,38.101 94.25,36.505 U3.12@94.23,36.485
D_P: H2.3 U3.13 | length 9.3
  Top Side w0.2: v1(93,38.25) 93.5,38.75 93.5,44.148 H2.3@93.5,45.6
  Bottom Side w0.2: U3.13@92.96,36.485 93,36.525 v1(93,38.25)
DAC_O: R23.2 TP17.1 U4.11 | length 24.2
  Top Side w0.2: TP17.1@63.5,17.75 65.229,16.021 66.279,16.021 v1(66.279,17.05) ; v1(67.75,25.25) 67.75,34.793 67.867,34.91 U4.11@68.991,34.91
  Bottom Side w0.2: v1(66.279,17.05) 66.279,23.779 v1(67.75,25.25)
DAC_S: R24.2 TP20.1 U9.8 | length 26.3
  Top Side w0.2: U9.8@51.955,30.789 60.461,30.789 65.989,25.261 69.421,21.829 69.421,20.929 R24.2@69.5,20.85 ; TP20.1@62.88,24.103 TP20.1@63.483,23.5 64.233,23.5 65.133,24.4 65.133,24.404 65.973,25.244
Debug: R33.2 U4.27 | length 41.3
  Top Side w0.2: v1(80,43.75) 80,36.75 83.11,33.64 U4.27@86.491,33.64
  Bottom Side w0.2: R33.2@54.35,45.75 57.5,45.75 59.5,43.75 v1(80,43.75)
EN1: R42A.1 U6.11 | length 23.6
  Top Side w0.2: U6.11@118.438,24.675 121.675,24.675 124,27 124,41.765 R42A.1@125.621,43.385